# Altium PCB HV_DAC_8ch-DIOT.PCBDOC (part 5 of 11)
Units mm, origin at the board's own origin, x right, y up, seen from the top; angles counter-clockwise.
Board outline 222.63 x 100.1 mm, 8 copper layers (L1, L2, L3, P4, L5, L6, P7, L8), stack 1.563 mm thick; 971 components, 607 nets, 3066 pads, 1424 vias.
Unrouted connection lines stored in the file: 1.
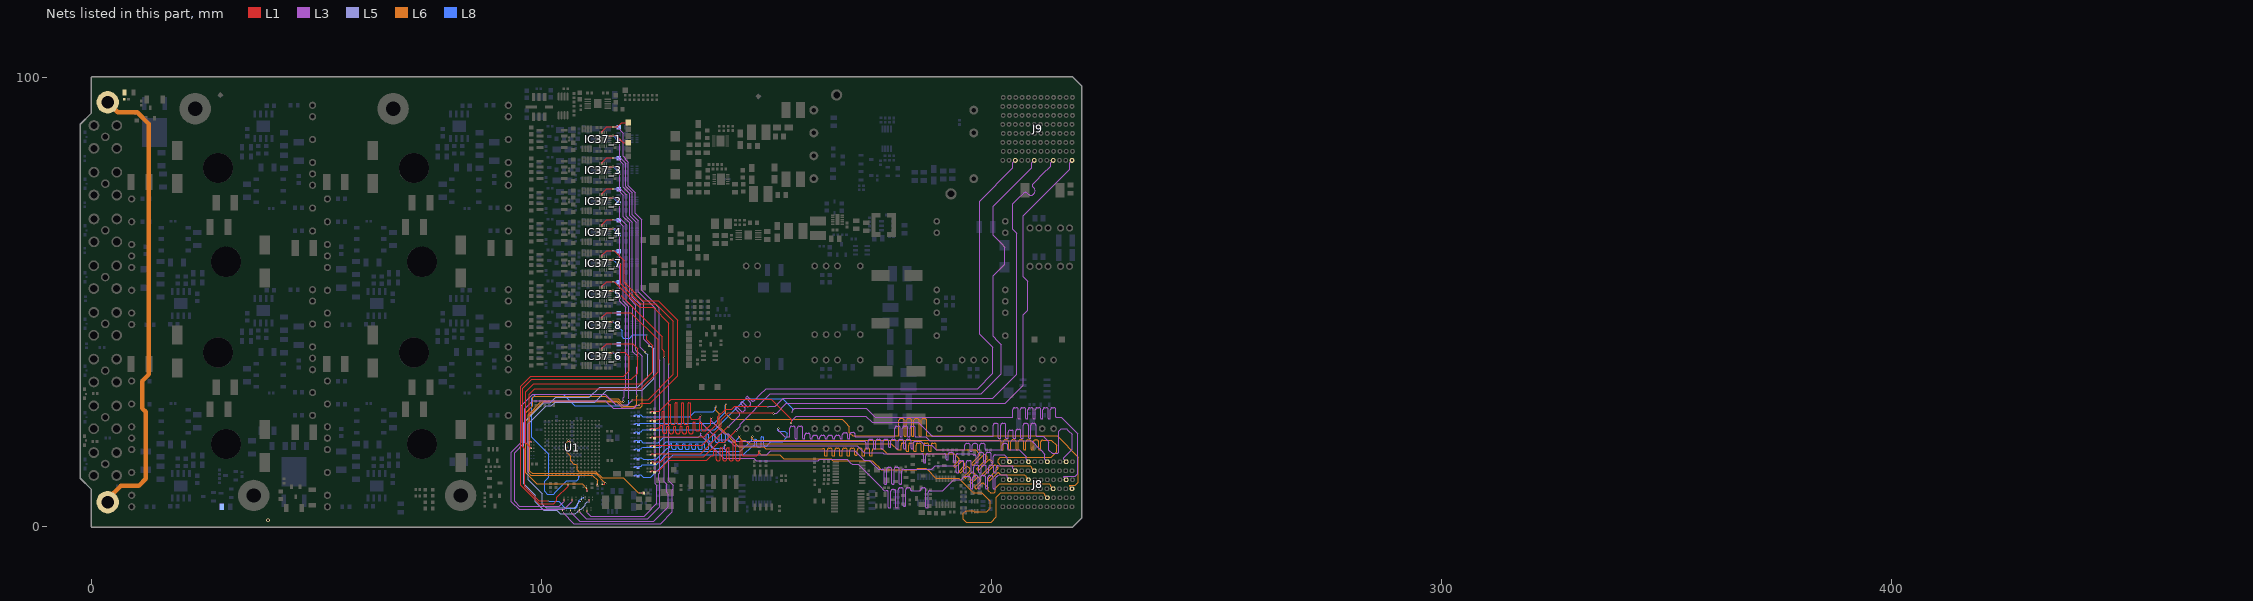
[diagram p11: the nets of this part, all layers, seen from the top]

## Via types
v1: diameter 0.4, hole 0.2, L1 to L8, tented both sides, 1016 vias
v2: diameter 0.8, hole 0.5, L1 to L8, tented both sides, 203 vias
v3: diameter 0.5, hole 0.2, L1 to L8, tented both sides, 117 vias
v4: diameter 0.7, hole 0.4, L1 to L8, tented both sides, 43 vias
v5: diameter 0.4, hole 0.2, L1 to L8, 32 vias
v6: diameter 0.5, hole 0.25, L1 to L8, 6 vias
v7: diameter 0.7, hole 0.4, L1 to L8, 5 vias
v8: diameter 1.2, hole 0.8, L1 to L8, tented both sides, 2 vias

## Nets (pads, with @x,y where several pads share a name; then routed paths per layer and width w, separated by ;. In a path a pad name is that pad's centre, name@x,y a point inside that pad or via, vN(x,y) a via of type N, cw(c..) or ccw(c..) an arc to the next point about the centre after c; other vN are vias at no path point) (continued)
BP_IO.LVDS_P0: J8.D3 R75.2 R207.2 | length 147.2
  L6 w0.1: v1(138.797,26.8) 138.797,26.797 138.7,26.7 138.7,26 139.1,25.6 139.335,25.365 139.532,25.168 139.532,22.168 139.9,21.8 143.868,17.832 149.438,17.832 149.838,17.432 160.852,17.432 162.557,17.432 cw(c162.557,17) 162.989,17 162.989,15.886 ccw(c163.09,15.886) 163.09,15.785 163.391,15.785 ccw(c163.391,15.886) 163.491,15.886 163.491,17.067 cw(c163.924,17.067) 163.924,17.5 164.225,17.5 cw(c164.225,17.067) 164.658,17.067 164.658,15.886 ccw(c164.758,15.886) 164.758,15.785 165.059,15.785 ccw(c165.059,15.886) 165.16,15.886 165.16,17.067 cw(c165.593,17.067) 165.593,17.5 165.894,17.5 cw(c165.894,17.067) 166.326,17.067 166.326,15.886 ccw(c166.427,15.886) 166.427,15.785 166.728,15.785 ccw(c166.728,15.886) 166.828,15.886 166.828,17.067 cw(c167.261,17.067) 167.261,17.5 167.562,17.5 cw(c167.562,17.067) 167.995,17.067 167.995,15.886 ccw(c168.095,15.886) 168.095,15.785 168.397,15.785 ccw(c168.397,15.886) 168.497,15.886 168.497,17.067 cw(c168.93,17.067) 168.93,17.5 169.231,17.5 cw(c169.231,17.067) 169.664,17.067 169.664,16.077 ccw(c169.764,16.077) 169.764,15.977 170.065,15.977 ccw(c170.065,16.077) 170.166,16.077 170.166,17.067 cw(c170.598,17.067) 170.598,17.5 170.9,17.5 cw(c170.9,17.067) 171.332,17.067 171.332,15.886 ccw(c171.433,15.886) 171.433,15.785 171.734,15.785 ccw(c171.734,15.886) 171.834,15.886 171.834,17.067 cw(c172.267,17.067) 172.267,17.5 172.568,17.5 cw(c172.568,17.067) 173.001,17.067 173.001,15.886 ccw(c173.101,15.886) 173.101,15.785 173.403,15.785 ccw(c173.403,15.886) 173.503,15.886 173.503,17 cw(c173.936,17) 173.936,17.432 174.152,17.432 175.668,17.432 176.065,17.035 176.3,16.8 176.868,16.232 191.032,16.232 191.241,16.232 191.768,16.232 192.711,15.289 ; 192.711,15.289 192.759,15.241 192.759,15.231 cw(c192.405,14.983) 192.711,14.677 191.641,13.607 ccw(c191.712,13.537) 191.641,13.466 191.854,13.253 ccw(c191.925,13.324) 191.996,13.253 193.16,14.417 ; 193.161,14.417 cw(c193.467,14.111) 193.715,14.466 193.724,14.466 193.772,14.418 ; 193.773,14.417 193.986,14.204 ; 193.986,14.204 194.034,14.156 194.034,14.146 cw(c193.68,13.898) 193.986,13.592 192.821,12.428 ccw(c192.892,12.357) 192.821,12.286 193.034,12.073 ccw(c193.105,12.144) 193.176,12.073 194.34,13.237 ; 194.341,13.237 cw(c194.647,12.931) 194.894,13.286 194.904,13.286 194.952,13.238 ; 194.953,13.237 195.165,13.024 195.214,12.976 195.214,12.966 cw(c194.86,12.719) 195.165,12.413 194.001,11.248 ccw(c194.072,11.177) 194.001,11.106 194.214,10.893 ccw(c194.285,10.964) 194.356,10.893 195.52,12.057 cw(c195.826,11.752) 196.074,12.106 196.084,12.106 196.132,12.058 ; 196.132,12.058 196.345,11.845 196.394,11.796 196.394,11.787 cw(c196.039,11.539) 196.345,11.233 195.181,10.068 ccw(c195.252,9.997) 195.181,9.926 195.394,9.713 ccw(c195.465,9.784) 195.536,9.713 196.7,10.877 cw(c197.006,10.572) 197.254,10.926 197.264,10.926 197.312,10.878 ; 197.312,10.878 197.525,10.665 197.574,10.616 197.574,10.607 cw(c197.219,10.359) 197.525,10.053 196.36,8.888 ccw(c196.432,8.817) 196.361,8.746 196.574,8.533 ccw(c196.645,8.604) 196.716,8.533 197.785,9.603 cw(c198.091,9.297) 198.339,9.652 198.348,9.652 198.397,9.603 ; 198.397,9.603 198.55,9.45 199.3,8.7 199.3,8.1 199.465,7.935 199.7,7.7 199.8,7.6 200.6,7.6 200.868,7.868 200.868,8.638 201.862,9.632 212.827,9.632 213.205,9.254 213.205,9.034 J8.D3@213.739,8.5
  L8 w0.1: R207.2@120.675,24.714 120.695,24.714 120.855,24.874 120.855,24.911 120.919,24.974 121.207,24.974 121.266,24.916 121.266,24.858 121.506,24.618 R75.2@121.526,24.618 121.546,24.618 121.786,24.858 121.786,24.916 121.845,24.974 122.039,24.974 122.55,24.464 132.964,24.464 134.073,25.573 138.194,25.573 138.647,26.026 138.647,26.591 138.797,26.741 v1(138.797,26.8)
BP_IO.LVDS_P1: J8.A3 R95.2 R178.2 | length 147.5
  L6 w0.1: v1(141,27.3) 141,27.219 140.903,27.121 140.903,25.197 142.197,23.903 166.797,23.903 167.8,22.9 168.035,22.665 168.432,22.268 168.432,21 169.2,20.232 175.8,20.232 179.353,20.232 ccw(c179.353,20.333) 179.454,20.333 179.454,23.693 cw(c179.886,23.693) 179.886,24.126 180.188,24.126 cw(c180.188,23.693) 180.62,23.693 180.62,20.233 ccw(c180.721,20.233) 180.721,20.132 181.022,20.132 ccw(c181.022,20.233) 181.122,20.233 181.122,23.693 cw(c181.555,23.693) 181.555,24.126 181.856,24.126 cw(c181.856,23.693) 182.289,23.693 182.289,20.233 ccw(c182.389,20.233) 182.389,20.132 182.691,20.132 ccw(c182.691,20.233) 182.791,20.233 182.791,23.693 cw(c183.224,23.693) 183.224,24.126 183.525,24.126 cw(c183.525,23.693) 183.958,23.693 183.958,20.233 ccw(c184.058,20.233) 184.058,20.132 184.359,20.132 ccw(c184.359,20.233) 184.46,20.233 184.46,23.693 cw(c184.892,23.693) 184.892,24.126 185.194,24.126 cw(c185.194,23.693) 185.626,23.693 185.626,20.333 ccw(c185.727,20.333) 185.727,20.232 186.9,20.232 214.638,20.232 219.332,15.538 219.332,9.962 218.67,9.3 217.546,9.3 217.463,9.3 217.405,9.241 217.405,9.034 J8.A3@217.939,8.5
  L8 w0.1: R178.2@120.713,22.835 120.733,22.835 120.893,22.995 120.893,23.018 120.952,23.077 121.207,23.077 121.266,23.018 121.266,22.96 121.506,22.72 R95.2@121.526,22.72 121.546,22.72 121.786,22.96 121.786,23.018 121.845,23.077 138.398,23.077 140.85,25.529 140.85,27.091 141,27.241 v1(141,27.3)
BP_IO.LVDS_P2: J8.B4 R96.2 R182.2 | length 146.6
  L3 w0.1: v1(155.7,25.5) 155.7,25.581 155.797,25.679 155.797,25.988 156.242,26.432 172.168,26.432 173.065,25.535 173.3,25.3 174.168,24.432 204.487,24.432 204.703,24.432 ccw(c204.703,24.533) 204.804,24.533 204.804,26.105 cw(c205.236,26.105) 205.236,26.537 205.538,26.537 cw(c205.538,26.105) 205.97,26.105 205.97,24.133 ccw(c206.071,24.133) 206.071,24.032 206.372,24.032 ccw(c206.372,24.133) 206.472,24.133 206.472,26.105 cw(c206.905,26.105) 206.905,26.537 207.206,26.537 cw(c207.206,26.105) 207.639,26.105 207.639,24.133 ccw(c207.739,24.133) 207.739,24.032 208.04,24.032 ccw(c208.04,24.133) 208.141,24.133 208.141,26.105 cw(c208.574,26.105) 208.574,26.537 208.875,26.537 cw(c208.875,26.105) 209.307,26.105 209.307,24.133 ccw(c209.408,24.133) 209.408,24.032 209.709,24.032 ccw(c209.709,24.133) 209.809,24.133 209.809,26.105 cw(c210.242,26.105) 210.242,26.537 210.543,26.537 cw(c210.543,26.105) 210.976,26.105 210.976,24.133 ccw(c211.076,24.133) 211.076,24.032 211.378,24.032 ccw(c211.378,24.133) 211.478,24.133 211.478,26.105 cw(c211.911,26.105) 211.911,26.537 212.212,26.537 cw(c212.212,26.105) 212.645,26.105 212.645,24.133 ccw(c212.745,24.133) 212.745,24.032 213.046,24.032 ccw(c213.046,24.133) 213.147,24.133 213.147,26.105 cw(c213.579,26.105) 213.579,26.537 213.881,26.537 cw(c213.881,26.105) 214.313,26.105 214.313,24.533 ccw(c214.414,24.533) 214.414,24.432 215,24.432 215.538,24.432 217.008,22.962 219.232,20.738 219.232,11.862 218.67,11.3 216.205,11.3 216.105,11.2 216.105,11.034 J8.B4@216.639,10.5
  L8 w0.1: R182.2@120.701,20.93 120.721,20.93 120.881,21.09 120.881,21.108 120.944,21.172 121.233,21.172 121.291,21.113 121.291,21.055 121.531,20.815 R96.2@121.551,20.815 121.571,20.815 121.811,21.055 121.811,21.113 121.87,21.172 122.136,21.172 122.537,21.573 138.473,21.573 145.4,28.5 153.6,28.5 155.85,26.25 155.85,25.709 155.7,25.559 v1(155.7,25.5)
BP_IO.LVDS_P3: J8.K4 R37.2 R186.2 | length 146.6
  L3 w0.1: v1(135.5,21) 135.5,20.919 135.403,20.821 135.403,20.397 137.365,18.435 137.6,18.2 140.5,15.3 147.2,15.3 147.297,15.203 147.5,15 147.768,14.732 161.562,14.732 161.862,15.032 167.938,15.032 168.035,14.935 168.435,14.535 168.67,14.3 169.07,13.9 170.432,13.9 175.582,8.75 175.785,8.547 176.232,8.1 176.673,8.1 cw(c176.673,7.667) 177.106,7.667 177.106,4.366 ccw(c177.207,4.366) 177.207,4.266 177.508,4.266 ccw(c177.508,4.366) 177.608,4.366 177.608,7.903 cw(c178.041,7.903) 178.041,8.335 178.342,8.335 cw(c178.342,7.903) 178.775,7.903 178.775,4.366 ccw(c178.875,4.366) 178.875,4.266 179.176,4.266 ccw(c179.176,4.366) 179.277,4.366 179.277,8.267 cw(c179.709,8.267) 179.709,8.7 180.011,8.7 cw(c180.011,8.267) 180.443,8.267 180.443,4.757 ccw(c180.544,4.757) 180.544,4.657 180.845,4.657 ccw(c180.845,4.757) 180.945,4.757 180.945,8.267 cw(c181.378,8.267) 181.378,8.7 181.679,8.7 cw(c181.679,8.267) 182.112,8.267 182.112,8.2 ccw(c182.212,8.2) 182.212,8.1 184.182,8.1 ccw(c184.182,8.2) 184.283,8.2 184.283,8.267 cw(c184.715,8.267) 184.715,8.7 185.016,8.7 cw(c185.016,8.267) 185.449,8.267 185.449,4.366 ccw(c185.55,4.366) 185.55,4.266 185.851,4.266 ccw(c185.851,4.366) 185.951,4.366 185.951,7.667 cw(c186.384,7.667) 186.384,8.1 186.6,8.1 189.23,8.1 191.662,10.532 193.262,10.532 193.962,11.232 194.084,11.232 194.964,11.232 cw(c194.964,10.8) 195.397,10.8 195.397,8.579 ccw(c195.498,8.579) 195.498,8.479 195.799,8.479 ccw(c195.799,8.579) 195.899,8.579 195.899,11.021 cw(c196.332,11.021) 196.332,11.453 196.633,11.453 cw(c196.633,11.021) 197.066,11.021 197.066,8.579 ccw(c197.166,8.579) 197.166,8.479 197.467,8.479 ccw(c197.467,8.579) 197.568,8.579 197.568,11.021 cw(c198,11.021) 198,11.453 198.302,11.453 cw(c198.302,11.021) 198.734,11.021 198.734,8.579 ccw(c198.835,8.579) 198.835,8.479 199.136,8.479 ccw(c199.136,8.579) 199.236,8.579 199.236,11.021 cw(c199.669,11.021) 199.669,11.453 199.97,11.453 cw(c199.97,11.021) 200.403,11.021 200.403,8.579 ccw(c200.503,8.579) 200.503,8.479 200.805,8.479 ccw(c200.805,8.579) 200.905,8.579 200.905,10.8 cw(c201.338,10.8) 201.262,11.226 201.269,11.232 201.332,11.232 201.554,11.454 201.732,11.632 203.21,11.632 203.505,11.338 203.505,11.034 J8.K4@204.039,10.5
  L8 w0.1: R186.2@120.701,19.025 120.721,19.025 120.881,19.185 120.881,19.227 120.939,19.286 121.233,19.286 121.291,19.227 121.291,19.169 121.531,18.929 R37.2@121.551,18.929 121.571,18.929 121.811,19.169 121.811,19.227 121.87,19.286 122.014,19.286 122.527,18.773 125.994,18.773 127.194,19.973 134.894,19.973 135.35,20.429 135.35,20.791 135.5,20.941 v1(135.5,21)
BP_IO.LVDS_P4: J8.H4 R85.2 R217.2 | length 147
  L6 w0.1: v1(144.027,20.3) 144.027,20.219 143.93,20.121 143.93,19.95 144.555,19.325 145.255,19.325 146.047,18.532 177.768,18.532 179.168,17.132 179.6,17.132 179.816,17.132 ccw(c179.816,17.233) 179.917,17.233 179.917,18.222 cw(c180.349,18.222) 180.349,18.655 180.65,18.655 cw(c180.65,18.222) 181.083,18.222 181.083,16.892 ccw(c181.184,16.892) 181.184,16.792 181.485,16.792 ccw(c181.485,16.892) 181.585,16.892 181.585,18.222 cw(c182.018,18.222) 182.018,18.655 182.319,18.655 cw(c182.319,18.222) 182.752,18.222 182.752,16.892 ccw(c182.852,16.892) 182.852,16.792 183.153,16.792 ccw(c183.153,16.892) 183.254,16.892 183.254,18.222 cw(c183.686,18.222) 183.686,18.655 183.988,18.655 cw(c183.988,18.222) 184.42,18.222 184.42,16.892 ccw(c184.521,16.892) 184.521,16.792 184.822,16.792 ccw(c184.822,16.892) 184.922,16.892 184.922,18.222 cw(c185.355,18.222) 185.355,18.655 185.656,18.655 cw(c185.656,18.222) 186.089,18.222 186.089,16.892 ccw(c186.189,16.892) 186.189,16.792 186.491,16.792 ccw(c186.491,16.892) 186.591,16.892 186.591,18.222 cw(c187.024,18.222) 187.024,18.655 187.325,18.655 cw(c187.325,18.222) 187.758,18.222 187.758,17.233 ccw(c187.858,17.233) 187.858,17.132 189.4,17.132 196.326,17.132 196.534,17.132 196.538,17.132 197.242,16.428 197.276,16.394 cw(c196.97,16.088) 197.276,15.782 195.623,14.13 ccw(c195.695,14.06) 195.624,13.989 195.837,13.776 ccw(c195.908,13.847) 195.979,13.776 198.177,15.974 cw(c198.483,15.668) 198.731,16.023 198.741,16.023 198.789,15.975 ; 198.789,15.974 199.002,15.761 199.051,15.713 199.051,15.703 cw(c198.696,15.455) 199.002,15.149 196.803,12.95 ccw(c196.875,12.88) 196.804,12.809 197.017,12.596 ccw(c197.088,12.667) 197.159,12.596 199.357,14.794 cw(c199.663,14.488) 199.911,14.843 199.921,14.843 199.969,14.795 ; 199.969,14.794 200.182,14.581 200.231,14.533 200.231,14.523 cw(c199.876,14.275) 200.182,13.97 197.983,11.77 ccw(c198.054,11.7) 197.983,11.629 198.196,11.416 ccw(c198.267,11.487) 198.338,11.416 200.536,13.614 cw(c200.843,13.309) 201.091,13.663 201.1,13.663 201.148,13.615 ; 201.149,13.615 201.362,13.402 201.411,13.353 201.411,13.344 cw(c201.056,13.096) 201.362,12.79 199.258,10.686 ccw(c199.33,10.615) 199.259,10.544 199.472,10.331 ccw(c199.543,10.402) 199.614,10.331 201.17,11.888 cw(c201.476,11.582) 201.724,11.936 201.733,11.936 201.781,11.888 ; 201.782,11.888 201.831,11.839 201.935,11.735 202.038,11.632 207.327,11.632 207.705,11.254 207.705,11.034 J8.H4@208.239,10.5
  L8 w0.1: R217.2@120.713,17.17 120.733,17.17 120.893,17.33 120.893,17.336 120.952,17.395 121.237,17.395 121.295,17.336 121.295,17.279 121.535,17.039 R85.2@121.555,17.039 121.575,17.039 121.815,17.279 121.815,17.336 121.874,17.395 122.143,17.395 122.335,17.587 122.521,17.773 126.494,17.773 127.721,19 136.141,19 136.305,19 ccw(c136.305,19.327) 136.632,19.327 136.632,20.489 cw(c136.733,20.489) 136.733,20.59 137.034,20.59 cw(c137.034,20.489) 137.134,20.489 137.134,19.241 ccw(c137.462,19.241) 137.462,18.913 137.763,18.913 ccw(c137.763,19.241) 138.09,19.241 138.09,20.489 cw(c138.191,20.489) 138.191,20.59 138.492,20.59 cw(c138.492,20.489) 138.592,20.489 138.592,19.186 ccw(c138.92,19.186) 138.92,18.858 139.221,18.858 ccw(c139.221,19.186) 139.548,19.186 139.548,20.489 cw(c139.649,20.489) 139.649,20.59 139.95,20.59 cw(c139.95,20.489) 140.05,20.489 140.05,19.186 ccw(c140.378,19.186) 140.378,18.858 140.679,18.858 ccw(c140.679,19.186) 141.006,19.186 141.006,20.489 cw(c141.107,20.489) 141.107,20.59 141.408,20.59 cw(c141.408,20.489) 141.508,20.489 141.508,19.327 ccw(c141.836,19.327) 141.836,19 142.236,19 143.016,19 143.877,19.861 143.877,20.091 144.027,20.241 v1(144.027,20.3)
BP_IO.LVDS_P5: J8.J5 R59.2 R191.2 | length 146.4
  L3 w0.1: v1(140.8,18.2) 140.8,18.119 140.703,18.021 140.703,17.305 141.908,16.1 150.1,16.1 150.932,16.932 169.638,16.932 171.135,15.435 171.37,15.2 171.738,14.832 172.868,14.832 174.772,12.928 174.841,12.859 174.919,12.859 175.768,12.859 cw(c175.768,12.427) 176.201,12.427 176.201,9.653 ccw(c176.301,9.653) 176.301,9.553 176.602,9.553 ccw(c176.602,9.653) 176.703,9.653 176.703,12.797 cw(c177.135,12.797) 177.135,13.23 177.437,13.23 cw(c177.437,12.797) 177.869,12.797 177.869,9.653 ccw(c177.97,9.653) 177.97,9.553 178.271,9.553 ccw(c178.271,9.653) 178.371,9.653 178.371,12.813 cw(c178.804,12.813) 178.804,13.246 179.105,13.246 cw(c179.105,12.813) 179.538,12.813 179.538,9.653 ccw(c179.638,9.653) 179.638,9.553 179.939,9.553 ccw(c179.939,9.653) 180.04,9.653 180.04,12.427 cw(c180.473,12.427) 180.473,12.859 180.689,12.859 186.759,12.859 187.532,13.632 191.243,13.632 191.791,13.632 cw(c191.791,13.2) 192.223,13.2 192.223,12.173 ccw(c192.324,12.173) 192.324,12.073 192.625,12.073 ccw(c192.625,12.173) 192.725,12.173 192.725,14.333 cw(c193.158,14.333) 193.158,14.766 193.459,14.766 cw(c193.459,14.333) 193.892,14.333 193.892,12.173 ccw(c193.992,12.173) 193.992,12.073 194.293,12.073 ccw(c194.293,12.173) 194.394,12.173 194.394,14.333 cw(c194.827,14.333) 194.827,14.766 195.128,14.766 cw(c195.128,14.333) 195.56,14.333 195.56,12.173 ccw(c195.661,12.173) 195.661,12.073 195.962,12.073 ccw(c195.962,12.173) 196.062,12.173 196.062,13.315 cw(c196.495,13.315) 196.495,13.748 196.796,13.748 cw(c196.796,13.315) 197.229,13.315 197.229,12.173 ccw(c197.329,12.173) 197.329,12.073 197.631,12.073 ccw(c197.631,12.173) 197.731,12.173 197.731,13.315 cw(c198.164,13.315) 198.164,13.748 198.465,13.748 cw(c198.465,13.315) 198.898,13.315 198.898,12.173 ccw(c198.998,12.173) 198.998,12.073 199.299,12.073 ccw(c199.299,12.173) 199.4,12.173 199.4,13.315 cw(c199.832,13.315) 199.832,13.748 200.134,13.748 cw(c200.134,13.315) 200.566,13.315 200.566,12.173 ccw(c200.667,12.173) 200.667,12.073 200.968,12.073 ccw(c200.968,12.173) 201.068,12.173 201.068,13.2 cw(c201.501,13.2) 201.501,13.632 201.717,13.632 204.552,13.632 204.805,13.379 204.805,13.034 J8.J5@205.339,12.5
  L8 w0.1: R191.2@120.624,15.164 120.644,15.164 120.804,15.324 120.804,15.36 120.87,15.426 121.148,15.426 121.207,15.367 121.207,15.309 121.447,15.069 R59.2@121.467,15.069 121.487,15.069 121.727,15.309 121.727,15.367 121.785,15.426 122.174,15.426 122.566,15.034 125.455,15.034 127.921,17.5 127.99,17.5 128.154,17.5 ccw(c128.154,17.827) 128.481,17.827 128.481,18.359 cw(c128.581,18.359) 128.581,18.459 128.883,18.459 cw(c128.883,18.359) 128.983,18.359 128.983,17.581 ccw(c129.31,17.581) 129.31,17.254 129.612,17.254 ccw(c129.612,17.581) 129.939,17.581 129.939,18.359 cw(c130.039,18.359) 130.039,18.459 130.341,18.459 cw(c130.341,18.359) 130.441,18.359 130.441,17.581 ccw(c130.768,17.581) 130.768,17.254 131.07,17.254 ccw(c131.07,17.581) 131.397,17.581 131.397,18.359 cw(c131.497,18.359) 131.497,18.459 131.799,18.459 cw(c131.799,18.359) 131.899,18.359 131.899,17.581 ccw(c132.226,17.581) 132.226,17.254 132.528,17.254 ccw(c132.528,17.581) 132.855,17.581 132.855,18.359 cw(c132.955,18.359) 132.955,18.459 133.257,18.459 cw(c133.257,18.359) 133.357,18.359 133.357,17.581 ccw(c133.684,17.581) 133.684,17.254 133.986,17.254 ccw(c133.986,17.581) 134.313,17.581 134.313,18.359 cw(c134.413,18.359) 134.413,18.459 134.715,18.459 cw(c134.715,18.359) 134.815,18.359 134.815,17.581 ccw(c135.142,17.581) 135.142,17.254 135.444,17.254 ccw(c135.444,17.581) 135.771,17.581 135.771,18.359 cw(c135.871,18.359) 135.871,18.459 136.173,18.459 cw(c136.173,18.359) 136.273,18.359 136.273,17.581 ccw(c136.6,17.581) 136.6,17.254 136.902,17.254 ccw(c136.902,17.581) 137.229,17.581 137.229,18.359 cw(c137.329,18.359) 137.329,18.459 137.631,18.459 cw(c137.631,18.359) 137.731,18.359 137.731,17.827 ccw(c138.058,17.827) 138.058,17.5 140.313,17.5 140.458,17.5 140.65,17.692 140.65,17.991 140.8,18.141 v1(140.8,18.2)
BP_IO.LVDS_P6: J8.G5 R98.2 R193.2 | length 146.5
  L6 w0.1: v1(146.877,20.1) 146.877,20.019 146.78,19.921 146.78,19.75 147.197,19.332 147.4,19.332 196.038,19.332 200.757,19.332 201.73,19.332 cw(c201.73,18.9) 202.163,18.9 202.163,17.292 ccw(c202.263,17.292) 202.263,17.192 202.564,17.192 ccw(c202.564,17.292) 202.665,17.292 202.665,18.913 cw(c203.098,18.913) 203.098,19.346 203.399,19.346 cw(c203.399,18.913) 203.831,18.913 203.831,17.292 ccw(c203.932,17.292) 203.932,17.192 204.233,17.192 ccw(c204.233,17.292) 204.333,17.292 204.333,18.913 cw(c204.766,18.913) 204.766,19.346 205.067,19.346 cw(c205.067,18.913) 205.5,18.913 205.5,17.292 ccw(c205.6,17.292) 205.6,17.192 205.902,17.192 ccw(c205.902,17.292) 206.002,17.292 206.002,18.913 cw(c206.435,18.913) 206.435,19.346 206.736,19.346 cw(c206.736,18.913) 207.169,18.913 207.169,17.292 ccw(c207.269,17.292) 207.269,17.192 207.57,17.192 ccw(c207.57,17.292) 207.671,17.292 207.671,18.913 cw(c208.103,18.913) 208.103,19.346 208.404,19.346 cw(c208.404,18.913) 208.837,18.913 208.837,17.292 ccw(c208.938,17.292) 208.938,17.192 209.239,17.192 ccw(c209.239,17.292) 209.339,17.292 209.339,18.913 cw(c209.772,18.913) 209.772,19.346 210.073,19.346 cw(c210.073,18.913) 210.506,18.913 210.506,17.292 ccw(c210.606,17.292) 210.606,17.192 210.907,17.192 ccw(c210.907,17.292) 211.008,17.292 211.008,18.9 cw(c211.44,18.9) 211.44,19.332 211.657,19.332 213.368,19.332 214.532,18.168 214.532,16.762 213.27,15.5 202,15.5 201.5,15 201.5,14.27 202.138,13.632 208.627,13.632 209.005,13.254 209.005,13.034 J8.G5@209.539,12.5
  L8 w0.1: R193.2@120.624,13.284 120.644,13.284 120.804,13.444 120.804,13.462 120.863,13.521 121.148,13.521 121.207,13.462 121.207,13.404 121.447,13.164 R98.2@121.467,13.164 121.487,13.164 121.727,13.404 121.727,13.462 121.785,13.521 122.114,13.521 122.426,13.834 125.455,13.834 128.421,16.8 144.221,16.8 146.727,19.306 146.727,20 146.827,20.1 v1(146.877,20.1)
BP_IO.LVDS_P7: J8.E6 R99.2 R195.2 | length 146.2
  L3 w0.1: 152.58,21.721 152.58,21.52 154.068,20.032 154.9,20.032 155.116,20.032 ccw(c155.116,20.133) 155.217,20.133 155.217,21.994 cw(c155.649,21.994) 155.649,22.427 155.95,22.427 cw(c155.95,21.994) 156.383,21.994 156.383,19.692 ccw(c156.484,19.692) 156.484,19.592 156.785,19.592 ccw(c156.785,19.692) 156.885,19.692 156.885,21.994 cw(c157.318,21.994) 157.318,22.427 157.619,22.427 cw(c157.619,21.994) 158.052,21.994 158.052,19.692 ccw(c158.152,19.692) 158.152,19.592 158.453,19.592 ccw(c158.453,19.692) 158.554,19.692 158.554,20.423 cw(c158.986,20.423) 158.986,20.856 159.288,20.856 cw(c159.288,20.423) 159.72,20.423 159.72,19.692 ccw(c159.821,19.692) 159.821,19.592 160.122,19.592 ccw(c160.122,19.692) 160.222,19.692 160.222,19.947 cw(c160.655,19.947) 160.655,20.38 160.956,20.38 cw(c160.956,19.947) 161.389,19.947 161.389,19.692 ccw(c161.489,19.692) 161.489,19.592 161.791,19.592 ccw(c161.791,19.692) 161.891,19.692 161.891,19.947 cw(c162.324,19.947) 162.324,20.38 162.625,20.38 cw(c162.625,19.947) 163.058,19.947 163.058,19.692 ccw(c163.158,19.692) 163.158,19.592 163.459,19.592 ccw(c163.459,19.692) 163.56,19.692 163.56,19.947 cw(c163.992,19.947) 163.992,20.38 164.293,20.38 cw(c164.293,19.947) 164.726,19.947 164.726,19.692 ccw(c164.827,19.692) 164.827,19.592 165.128,19.592 ccw(c165.128,19.692) 165.228,19.692 165.228,19.947 cw(c165.661,19.947) 165.661,20.38 165.962,20.38 cw(c165.962,19.947) 166.395,19.947 166.395,19.692 ccw(c166.495,19.692) 166.495,19.592 166.796,19.592 ccw(c166.796,19.692) 166.897,19.692 166.897,20.52 cw(c167.329,20.52) 167.329,20.953 167.631,20.953 cw(c167.631,20.52) 168.063,20.52 168.063,19.692 ccw(c168.164,19.692) 168.164,19.592 168.465,19.592 ccw(c168.465,19.692) 168.565,19.692 168.565,20.571 cw(c168.998,20.571) 168.998,21.004 169.299,21.004 cw(c169.299,20.571) 169.732,20.571 169.732,20.133 ccw(c169.832,20.133) 169.832,20.032 178.477,20.032 ccw(c178.477,20.133) 178.577,20.133 178.577,21.994 cw(c179.01,21.994) 179.01,22.427 179.311,22.427 cw(c179.311,21.994) 179.744,21.994 179.744,20.133 ccw(c179.844,20.133) 179.844,20.032 180.145,20.032 ccw(c180.145,20.133) 180.246,20.133 180.246,21.994 cw(c180.678,21.994) 180.678,22.427 180.979,22.427 cw(c180.979,21.994) 181.412,21.994 181.412,20.133 ccw(c181.513,20.133) 181.513,20.032 181.814,20.032 ccw(c181.814,20.133) 181.914,20.133 181.914,21.994 cw(c182.347,21.994) 182.347,22.427 182.648,22.427 cw(c182.648,21.994) 183.081,21.994 183.081,20.133 ccw(c183.181,20.133) 183.181,20.032 185.1,20.032 185.4,20.032 186.3,19.132 208.938,19.132 210.7,17.37 210.935,17.135 211.905,16.165 211.905,15.034 J8.E6@212.439,14.5
  L8 w0.1: R195.2@120.624,11.379 120.644,11.379 120.804,11.539 120.804,11.557 120.863,11.616 121.148,11.616 121.207,11.557 121.207,11.499 121.447,11.259 R99.2@121.467,11.259 121.487,11.259 121.727,11.499 121.727,11.557 121.785,11.616 122.084,11.616 122.627,11.073 124.294,11.073 129.294,16.073 144.894,16.073 146.821,18 146.9,18 147.064,18 ccw(c147.064,18.327) 147.391,18.327 147.391,19.396 cw(c147.491,19.396) 147.491,19.496 147.793,19.496 cw(c147.793,19.396) 147.893,19.396 147.893,18.054 ccw(c148.22,18.054) 148.22,17.727 148.522,17.727 ccw(c148.522,18.054) 148.849,18.054 148.849,19.926 cw(c148.949,19.926) 148.949,20.026 149.251,20.026 cw(c149.251,19.926) 149.351,19.926 149.351,18.327 ccw(c149.678,18.327) 149.678,18 150.021,18 150.3,18.279 150.994,18.973 153.594,18.973 154.627,20.006 154.627,20.794 154.121,21.3 152.782,21.3 152.527,21.555 152.527,21.691 152.677,21.841 v1(152.677,21.9)